# Altium PCB PCB1.PcbDoc (part 1 of 2) (continued)
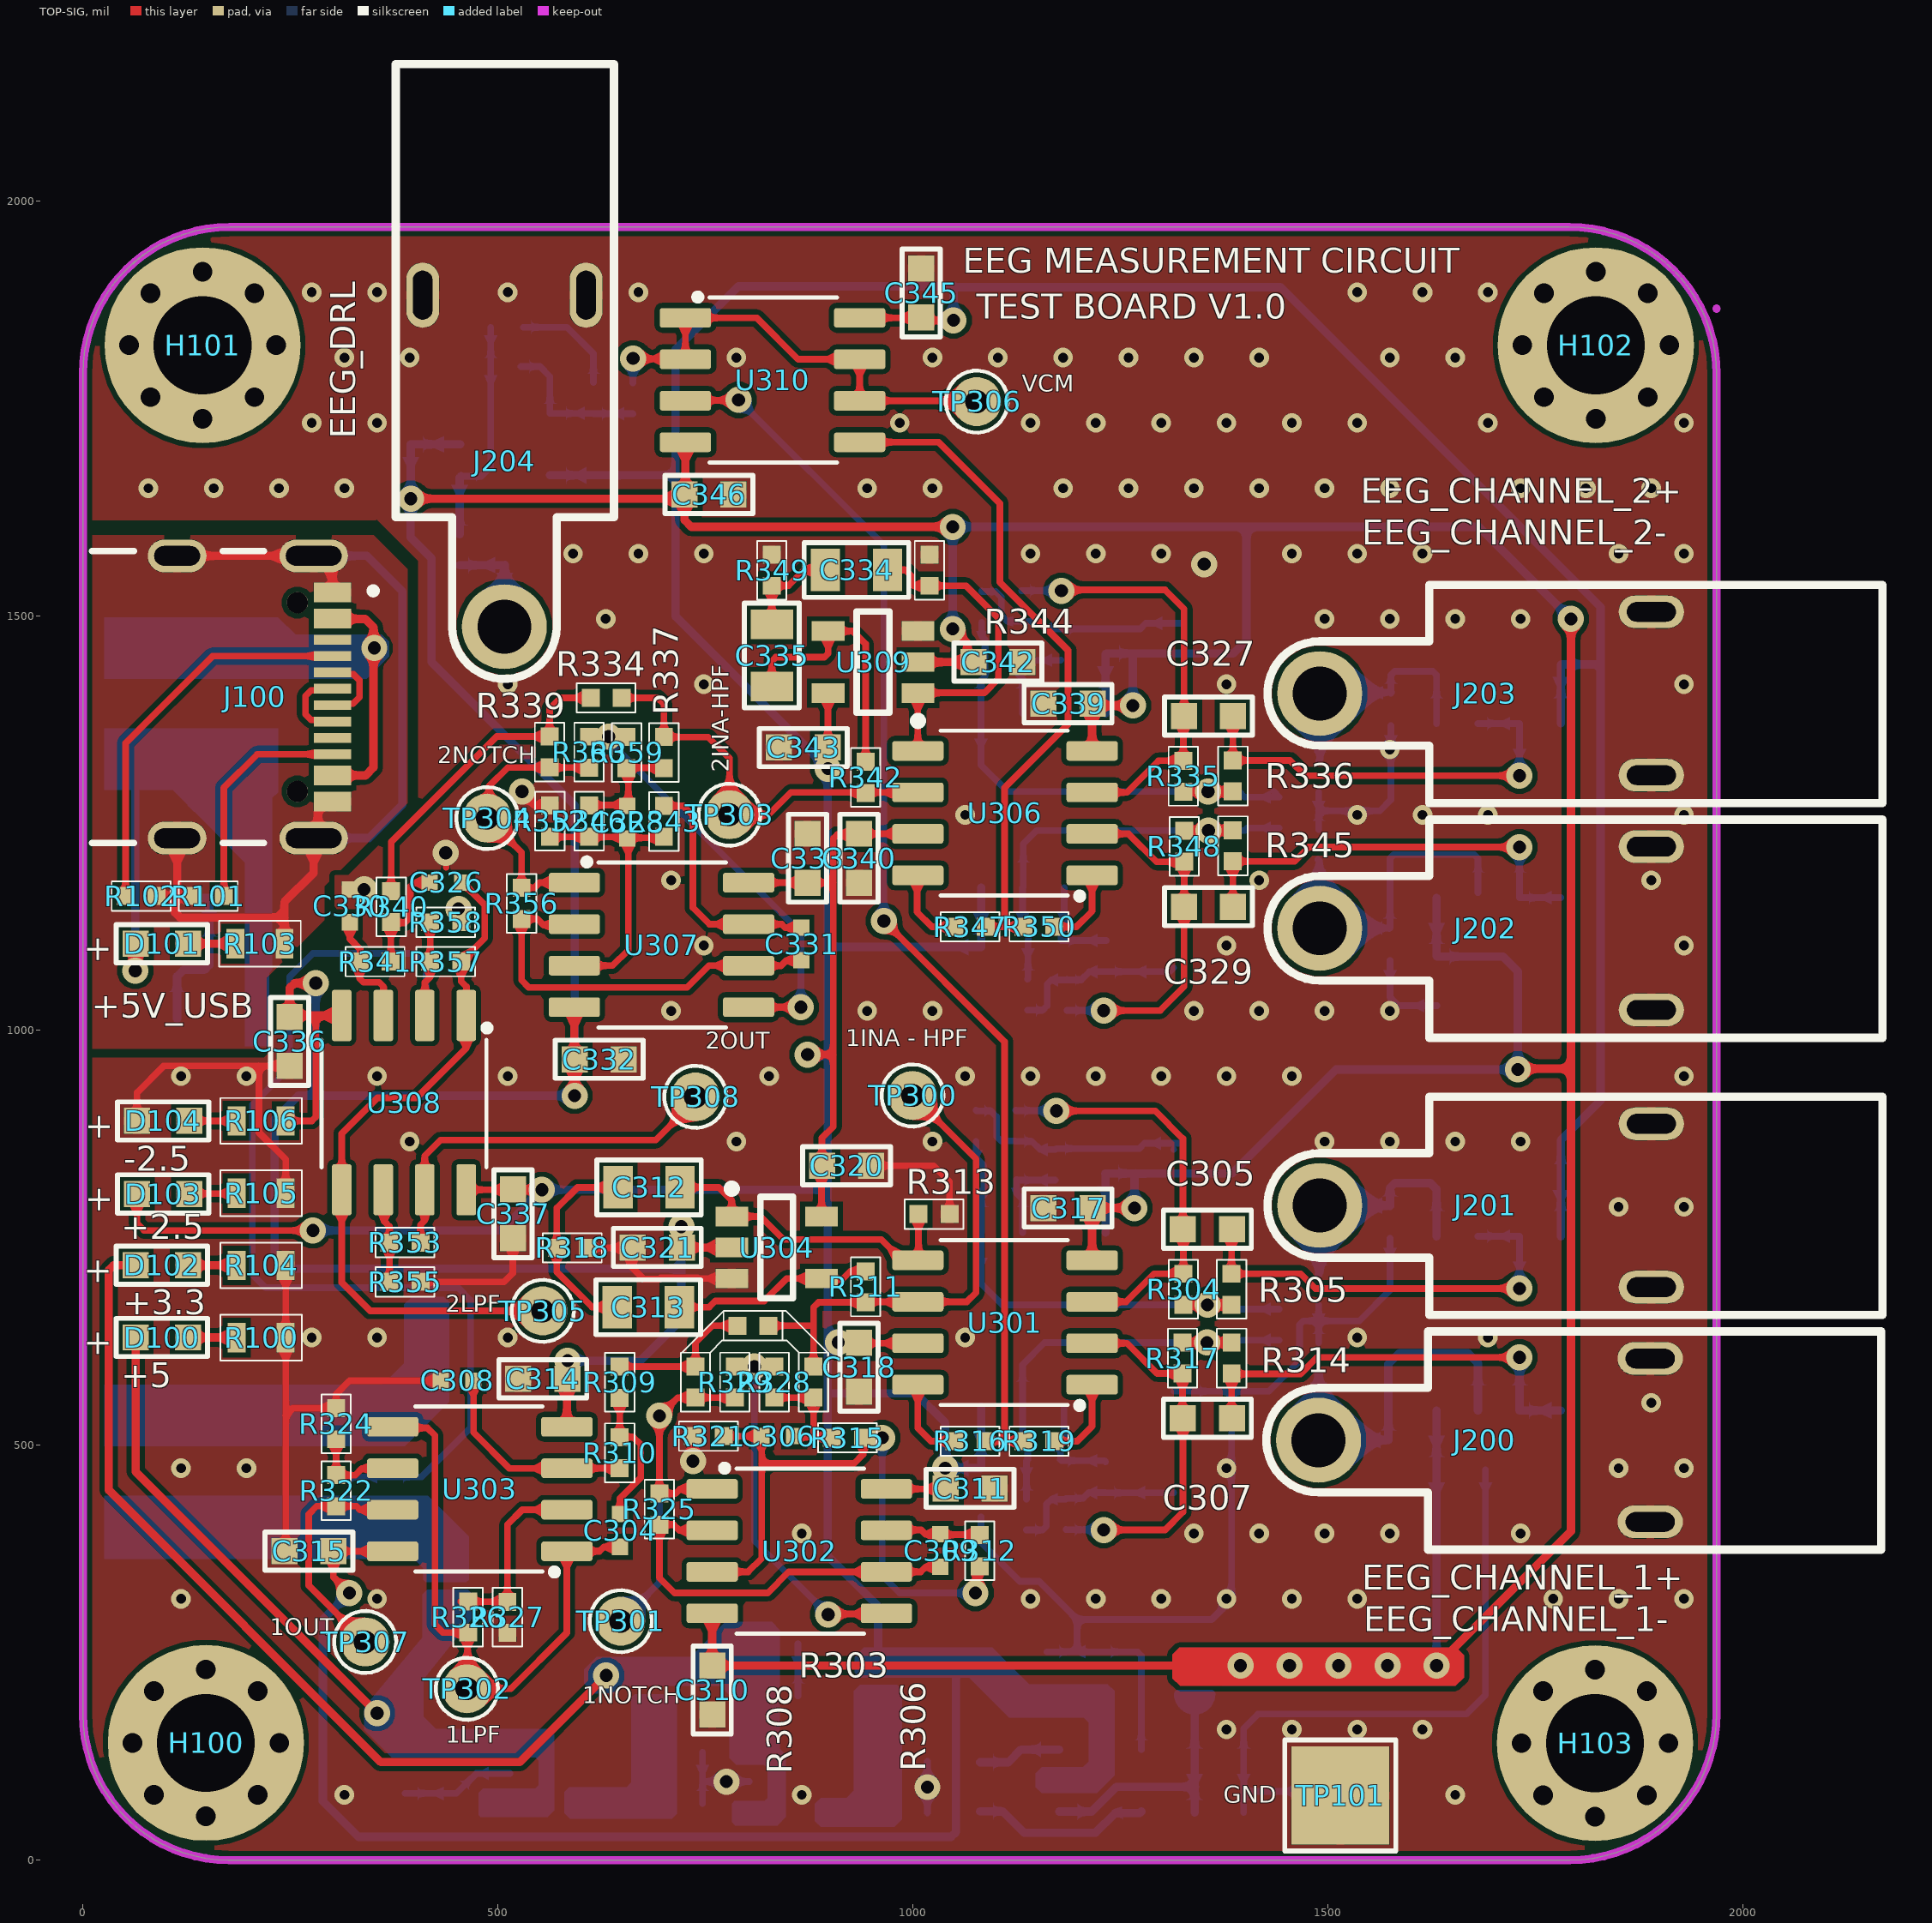
[diagram p0: TOP-SIG view]
## Components (designator, comment, footprint, x,y, rotation, side; value= is the part's Value field where it differs from the comment) (continued)
TP300 "Testpoint_TH" TestPoint_THTPad_D1.5mm_Drill0.7mm 999.55,921.6 r90 top
TP301 "Testpoint_TH" TestPoint_THTPad_D1.5mm_Drill0.7mm 648,288 r90 top
TP302 "Testpoint_TH" TestPoint_THTPad_D1.5mm_Drill0.7mm 462.61,206.5 r90 top
TP303 "Testpoint_TH" TestPoint_THTPad_D1.5mm_Drill0.7mm 779,1260 r90 top
TP304 "Testpoint_TH" TestPoint_THTPad_D1.5mm_Drill0.7mm 487,1256 r90 top
TP305 "Testpoint_TH" TestPoint_THTPad_D1.5mm_Drill0.7mm 554,662 r90 top
TP306 "Testpoint_TH" TestPoint_THTPad_D1.5mm_Drill0.7mm 1077,1758 r90 top
TP307 "Testpoint_TH" TestPoint_THTPad_D1.5mm_Drill0.7mm 340,263 r90 top
TP308 "Testpoint_TH" TestPoint_THTPad_D1.5mm_Drill0.7mm 738,920 r90 top
U100 "NXE2S0505MC-R7" NXE2_SINGLE_SURFACE_MUR 263.24,830 r270 bottom
U101 "RT9013-33GB" SOT-23-5_RIT 561.62,104.57 r0 bottom
U102 "TPS7A0525PDBVR" DBV0005A_L 853,94.7 r0 bottom
U103 "TPS60403DBVR" SOT95P280X145-5N 1225.87,95.9 r0 bottom
U200 "OPA2735AIDR" SOIC-8 1706,647 r90 bottom
U201 "OPA2735AIDR" SOIC-8 1706,1265 r90 bottom
U300 "OPA2735AIDR" SOIC-8 1157.23,651.42 r270 bottom
U301 "INA128UA/2K5" SOIC-8 1111,648 r180 top
U302 "OPA2735AIDR" SOIC-8 863.13,372.48 r0 top
U303 "OPA2735AIDR" SOIC-8 478.09,447.28 r180 top
U304 "OPA735AIDBVR" SOT-23 835.84,738.41 r0 top
U305 "OPA2735AIDR" SOIC-8 1157.23,1277.04 r270 bottom
U306 "INA128UA/2K5" SOIC-8 1111,1262 r180 top
U307 "OPA2735AIDR" SOIC-8 697.09,1103.15 r0 top
U308 "OPA2735AIDR" SOIC-8 386.78,913 r270 top
U309 "OPA735AIDBVR" SOT-23 952,1444 r180 top
U310 "OPA2735AIDR" SOIC-8 830.9,1784 r0 top
U311 "OPA735AIDBVR" SOT-23 508.5,1706.57 r0 bottom

## Footprints (in the part's own frame and the unit in brackets; to place one, negate y for a bottom-side part, rotate by r counter-clockwise, add the part's x,y. Pads: shape width x height; smd on the part's side, far side on the other; paste and mask are expansions set on the pad)
"3mm with via" [mm]
  round 6 hole 3 mask-2539.97: 0(0,0)
CAP_0603 [mm]
  rect 0.8x0.8 smd: 1(-0.801,0.076) 2(0.699,0.076)
  silkscreen extent -1.4,-0.51 1.3,0.66, body extent -0.85,-0.32 0.75,0.48, height 0.8
CAP_0805 [mm]
  rect 0.9x1.3 smd: 1(-0.975,-0.025) 2(0.925,-0.025)
  silkscreen extent -1.63,-0.86 1.57,0.81, body extent -1.03,-0.65 0.97,0.6, height 0.6
DBV0005A_L [mm]
  rect 0.8x0.55 smd paste+0 mask+0: 1(-1.275,0.95) 2(-1.275,0) 3(-1.275,-0.95) 4(1.275,-0.95) 5(1.275,0.95)
  silkscreen extent -1.63,-1.55 0.38,1.55
"DIN42802-1.5MM SOCKET" [mm]
  oval 2x1 hole 0.6 slot 1.5 at 0 deg: 1(10.15,2.5) 3(10.15,-2.5)
  round 2.6 hole 1.65: 2(0,0)
  silkscreen extent -1.6,-3.35 17.22,3.33, body extent -2.28,-3.19 17.22,3.16, height 6.35
DIO_TPD1E05U06DPYR [mm]
  rect 0.6x0.5 smd: 1(-0.5,0) 2(0.5,0)
  silkscreen extent -0.91,0.48 -0.76,0.63, body extent -0.5,-0.3 0.5,0.3, height 0.45
GCT_USB4105-GF-A [mm]
  rect 0.6x1.15 smd mask+0.05: A1_B12(-3.2,4.755) A4_B9(-2.4,4.755) B1_A12(3.2,4.755) B4_A9(2.4,4.755)
  rect 0.3x1.15 smd mask+0.05: A5(-1.25,4.755) A6(-0.25,4.755) A7(0.25,4.755) A8(1.25,4.755) B5(1.75,4.755) B6(0.75,4.755) B7(-0.75,4.755) B8(-1.75,4.755)
  oval 1x2.1 hole 0.6 slot 1.7 at 90 deg: SH1(-4.32,4.18) SH2(4.32,4.18)
  oval 1x1.8 hole 0.6 slot 1.4 at 90 deg: SH3(-4.32,0) SH4(4.32,0)
  round 0.65 hole 0.65 unplated: ""(-2.89,3.68) ""(2.89,3.68)
  silkscreen extent -4.47,-2.6 4.47,6.1, body extent -4.47,-2.6 4.47,5.11, height 3.31
Inductor_CDRH4D28 [mm] "SMD Power Inductor, body 4.8x4.8x2.8 mm"
  rect 1.9x5.3 smd: 1(-1.7,0) 2(1.7,0)
  silkscreen extent -0.75,-3 0.75,3, body extent -2.42,-2.42 2.48,2.48, height 2.91
NXE2_SINGLE_SURFACE_MUR [mil]
  rect 66x22 smd paste+0 mask+0: 1(-184,150) 3(-184,50) 7(-184,-150) 8(184,-150) 14(184,150)
  silkscreen extent -229,-255 210,255, body extent -205,-250 205,250, height 190
R0402 [mm] "Chip Resistor, 2-Leads, Body 1.00x0.50mm, IPC Medium Density"
  rect 0.55x0.55 smd: 1(-0.475,0) 2(0.475,0)
  silkscreen extent -0.9,-0.45 0.9,0.45, body extent -0.5,-0.25 0.5,0.25, height 0.35
R0603 [mm]
  rect 0.55x0.9 smd: 1(-0.75,0) 2(0.75,0)
  silkscreen extent -1.25,-0.7 1.25,0.7, body extent -0.77,-0.43 0.77,0.43, height 0.45
SOIC-8 [mm]
  rrect25% 1.57x0.6 smd: 1(-2.667,1.905) 2(-2.667,0.635) 3(-2.667,-0.635) 4(-2.667,-1.905) 5(2.667,-1.905) 6(2.667,-0.635) 7(2.667,0.635) 8(2.667,1.905)
  silkscreen extent -2.39,-2.52 1.98,2.64, body extent -2.97,-2.45 3.02,2.45, height 1.75
SolderBridgeOpen#1 [mil]
  round 10 smd mask+0: 1(18,0) 2(-18,0)
  TOP-SIG region: -10,20 -10,-20 -19,-20 -30,-9 -30,10 -20,20
  TOP-SIG region: 10,20 10,-20 19,-20 30,-9 30,10 20,20
  TOP-SIG lines w10: 10,20 cw(c10,0) 10,-20 10,20 ; -10,20 ccw(c-10,0) -10,-20 -10,20
  silkscreen extent -34,-34 34,34
SolderBridgeOpen#2 [mil]
  round 10 smd mask+0: 1(18,0) 2(-18,0)
  TOP-SIG region: -10,20 -10,-20 -19,-20 -30,-9 -30,10 -20,20
  TOP-SIG region: 10,20 10,-20 19,-20 30,-9 30,10 20,20
  TOP-SIG lines w10: -10,-20 cw(c-10,0) -10,20 -10,-20 ; 10,-20 ccw(c10,0) 30,0 ccw(c10,0) 18,18.33 ccw(c10,0) 10,20 10,0 10,-20
  silkscreen extent -34,-34 34,34
SolderBridgeOpen#3 [mil]
  round 10 smd mask+0: 1(18,0) 2(-18,0)
  TOP-SIG region: -10,20 -10,-20 -19,-20 -30,-9 -30,10 -20,20
  TOP-SIG region: 10,20 10,-20 19,-20 30,-9 30,10 20,20
  TOP-SIG lines w10: -10,-20 cw(c-10,0) -10,20 -10,-20 ; 10,-20 ccw(c10,0) 30,0 ccw(c10,0) 24,14.28 ccw(c10,0) 18,18.33 ccw(c10,0) 10,20 10,0 10,-20
  silkscreen extent -34,-34 34,34
SOT95P280X145-5N [mm]
  rrect50% 1.21x0.59 smd: 1(-1.255,0.95) 2(-1.255,0) 3(-1.255,-0.95) 4(1.255,-0.95) 5(1.255,0.95)
  silkscreen extent -2.51,-1.45 0.8,1.45
SOT-23 [mm] "SOT23, 5-Leads, Body 2.90x2.80mm, Pitch 0.95mm, IPC Medium Density"
  rect 1x0.6 smd: 1(-1.375,0.95) 2(-1.375,0) 3(-1.375,-0.95) 4(1.375,-0.95) 5(1.375,0.95)
  silkscreen extent -1.5,-1.55 0.5,1.92, body extent -1.5,-1.53 1.5,1.53, height 1.45
SOT-23-5_RIT [mil]
  rect 52x24 smd paste+0 mask+0: 1(-47,36.99) 2(-47,0) 3(-47,-36.99) 4(47,-36.99) 5(47,36.99)
  silkscreen extent -67,-66 40,77, body extent -59,-61 59,61, height 67
TestPoint_Pad_3.0x3.0mm [mm]
  rect 3x3 smd paste-2539.97 mask+0: 1(0,0)
  silkscreen extent -1.7,-1.7 1.7,1.7
TestPoint_THTPad_D1.5mm_Drill0.7mm [mm]
  round 1.5 / inner round 1.524 / far side round 1.5 hole 0.7 paste-2539.97 mask+0: 1(0,0)
  silkscreen extent -0.95,-0.95 0.95,0.95
WCAP-CSGP_0402_L1W0.5H0.5 [mm] "Ceramic Capacitors, body 1x0.5mm"
  rect 0.5x0.5 smd: 1(-0.5,0) 2(0.5,0)
  body extent -0.5,-0.25 0.5,0.25, height 0.5
WL-SMCW_0603_H=0.7mm [mm] "SMD Mono-color Chip LED, body 1.6x0.8mm"
  rect 0.8x0.8 smd: 1(-0.8,0) 2(0.8,0)
  silkscreen extent -1.4,-0.58 1.4,0.58, body extent -0.8,-0.4 0.8,0.4, height 0.7

## Part data
C100 C103: library part 0106034751035, "CAP, size 0603, 4.7 uF, 35 VDC", Capacitance="4.7 uF", Manufacture Name="Samsung Electro-Mechanics", Manufacture SN=CL10A475KL8NRNC, Operating Temperature="-55 to +125degC", Tolerance=+/-10%, Voltage Rating DC="35 VDC", ComponentLink2Description=Datasheet, ComponentLink2URL=https://www.mouser.vn/datasheet/2/585/MLCC-1837944.pdf, ComponentLink3Description=Buy, ComponentLink3URL=http://www.tme.vn/Product.aspx?id=1163#page=pro_info, Mounting Technology=SMT, Packaging="Tape and Reel", Size=0603, Supplier 1 Name=Mouser, Supplier 1 SN=187-CL10A475KL8NRNC, Supplier 1 URL=https://www.mouser.vn/ProductDetail/Samsung-Electro-Mechanics/CL10A475KL8NRNC?qs=xZ%2FP%252Ba9zWqa0jfvJtp%252BUEg%3D%3D&utm_source=mouser-refine-download&utm_medium=file&utm_campaign=CL10A475KL8NRNC&utm_content=Samsung-Electro-Mechanics, Supplier 2 Name=Digi-Key, Supplier 2 SN=1276-6794-2-ND, Supplier 2 URL=https://www.digikey.com/en/products/detail/samsung-electro-mechanics/cl10a475kl8nrnc/5961278, Supplier 3 Name=thegioiic, Supplier 3 SN=N/A, Supplier 3 URL=N/A
C101 C102 C105 C107 C109 C110 C114 C115 C200 C201 C202 C203 C301 C302 C310 C311 C314 C315 C317 C318 C320 C321 C323 C324 C332 C333 C336 C337 C339 C340 C342 C343 C345 C346 C347 C348: library part 0106031041050, "CAP, size 0603, 100 nF, 50 VDC", Capacitance="100 nF", Manufacture Name=TDK, Manufacture SN=CGA3E3X8R1H104K080AE, Operating Temperature="-55 to +125degC", Tolerance=+/-10%, Voltage Rating DC="50 VDC", ComponentLink2Description=Datasheet, ComponentLink2URL=https://product.tdk.com/system/files/dam/doc/product/capacitor/ceramic/mlcc/catalog/mlcc_automotive_soft_en.pdf?ref_disty=mouser, Mounting Technology=SMT, Packaging="Tape and Reel", Size=0603, Supplier 1 Name=Mouser, Supplier 1 SN=810-CGA3E3X8R1H104KA, Supplier 1 URL=https://www.mouser.com/ProductDetail/TDK/CGA3E3X8R1H104K080AE?qs=nQSIdc08i%252Bd8g3IRRgU2bw%3D%3D&utm_source=mouser-refine-download&utm_medium=file&utm_campaign=CGA3E3X8R1H104K080AE&utm_content=TDK, Supplier 2 Name=Digi-Key, Supplier 2 SN=445-173697-2-ND, Supplier 2 URL=https://www.digikey.com/en/products/detail/tdk-corporation/cga3e3x8r1h104k080ae/5809262, Supplier 3 Name=thegioiic, Supplier 3 SN=N/A, Supplier 3 URL=N/A
  C101 C102 C105: ComponentLink3Description=Buy, ComponentLink3URL=http://www.tme.vn/Product.aspx?id=739#page=pro_info
C104 C106 C108 C111: library part 0106032251010, "CAP, size 0603, 2.2 uF, 10 VDC", Capacitance="2.2 uF", Manufacture Name="Samsung Electro-Mechanics", Manufacture SN=CL10A225KP8NNWC, Operating Temperature="-55 to +125degC", Tolerance=+/-10%, Voltage Rating DC="10 VDC", ComponentLink2Description=Datasheet, ComponentLink2URL=https://www.mouser.vn/datasheet/2/585/Samsung_MLCC_1837944-1929650.pdf, Mounting Technology=SMT, Packaging="Tape and Reel", Size=0603, Supplier 1 Name=Mouser, Supplier 1 SN=187-CL10A225KP8NNWC, Supplier 1 URL=https://www.mouser.vn/ProductDetail/Samsung-Electro-Mechanics/CL10A225KP8NNWC?qs=f6khj2Jg0Fj5oIVDjMV6rg%3D%3D&utm_source=mouser-refine-download&utm_medium=file&utm_campaign=CL10A225KP8NNWC&utm_content=Samsung-Electro-Mechanics, Supplier 2 Name=Digi-Key, Supplier 2 SN=1276-CL10A225KP8NNWCTR-ND, Supplier 2 URL=https://www.digikey.com/en/products/detail/samsung-electro-mechanics/cl10a225kp8nnwc/16572766, Supplier 3 Name=thegioiic, Supplier 3 SN=N/A, Supplier 3 URL=N/A
C112 C113 C116 C305 C307 C327 C329: library part 0106031051050, "CAP, size 0603, 1 nF, 50 VDC", Capacitance="1 nF", Manufacture Name=TDK, Manufacture SN=CGA3E3X5R1H105K080AB, Operating Temperature="-55 to +125degC", Tolerance=+/-10%, Voltage Rating DC="50 VDC", ComponentLink2Description=Datasheet, ComponentLink2URL=https://product.tdk.com/system/files/dam/doc/product/capacitor/ceramic/mlcc/catalog/mlcc_automotive_general_en.pdf?ref_disty=mouser, Mounting Technology=SMT, Packaging="Tape and Reel", Size=0603, Supplier 1 Name=Mouser, Supplier 1 SN=810-CGA3E3X5R1H105K, Supplier 1 URL=https://www.mouser.com/ProductDetail/TDK/CGA3E3X5R1H105K080AB?qs=NRhsANhppD%2F2%2FwbVN4GABg%3D%3D&utm_source=mouser-refine-download&utm_medium=file&utm_campaign=CGA3E3X5R1H105K080AB&utm_content=TDK, Supplier 2 Name=Digi-Key, Supplier 2 SN=445-7878-2-ND, Supplier 2 URL=https://www.digikey.com/en/products/detail/tdk-corporation/cga3e3x5r1h105k080ab/2781304, Supplier 3 Name=thegioiic, Supplier 3 SN=N/A, Supplier 3 URL=N/A
C300 C319 C322 C341: library part 885012105018, "WCAP-CSGP Multilayer Ceramic Chip Capacitor, General Purpose, size 0402, X5R, 100nF, 25V", Capacitance="10nF, 50V", Capacitance Tolerance=+/-20%, Case/Size Code=0402, Insulation Resistance=5GΩ, Manufacturer="Wurth Elektronik", Max Operating Temperature=85°C, Min Operating Temperature=-55°C, Rated Voltage (DC)=25V, Category="Multilayer Ceramic Chip Capacitors", Ceramic Type=X5R, ComponentLink1Description="Website Link", ComponentLink1URL=https://www.we-online.com/redexpert/article/885012105018?ad, ComponentLink2Description="Datasheet Link", ComponentLink2URL=https://www.we-online.com/redexpert/spec/885012105018?ad, ComponentLink3Description=Buy, ComponentLink3URL=https://www.thegioiic.com/tu-gom-0402-10nf-50v, Dissipation Factor=10%, Height=0.5mm, Length=1mm, Manufacturer Part Number=885012105018, Match Code=WCAP-CSGP, Mount="Surface Mount", Packaging="Tape and Reel", Technical Reference=X5R0402104M025DFCT10000, Width=0.5mm
C303 C312 C313 C316 C325 C334 C335 C338: library part 0108051061025, "33 µF ±20% 6.3V Ceramic Capacitor X5R 0805 (2012 Metric)", Capacitance="10 uF", Manufacture Name=TDK, Manufacture SN=CGA4J1X7S1E106K125AE, Operating Temperature="-55 to +125degC", Tolerance=+/-10%, Voltage Rating DC="25 VDC", ComponentLink3Description=Buy, ComponentLink3URL=https://www.digikey.com/en/products/detail/tdk-corporation/C2012X5R0J336M125AC/2443464, Mounting Technology=SMT, Packaging="Tape and Reel", Size=0805, Supplier 1 Name=Mouser, Supplier 1 SN=810-CGA4J1X7S1E106K2, Supplier 1 URL=https://www.mouser.vn/ProductDetail/TDK/CGA4J1X7S1E106K125AE?qs=PqoDHHvF64%252BJvhmUzM2odA%3D%3D&utm_source=mouser-refine-download&utm_medium=file&utm_campaign=CGA4J1X7S1E106K125AE&utm_content=TDK, Supplier 2 Name=Digi-Key, Supplier 2 SN=445-181411-2-ND, Supplier 2 URL=https://www.digikey.com/en/products/detail/tdk-corporation/cga4j1x7s1e106k125ae/9744777, Supplier 3 Name=thegioiic, Supplier 3 SN=OEM, Supplier 3 URL=N/A
C304 C308 C326 C330: library part 885012205067, "WCAP-CSGP Multilayer Ceramic Chip Capacitor, General Purpose, size 0402, X7R, 10nF, 50V", Capacitance Tolerance=+/-10%, Case/Size Code=0402, Insulation Resistance=10GΩ, Manufacturer="Wurth Elektronik", Max Operating Temperature=125°C, Min Operating Temperature=-55°C, Rated Voltage (DC)=50V, Capacitance=10nF, Category="Multilayer Ceramic Chip Capacitors", Ceramic Type=X7R, ComponentLink1Description="Website Link", ComponentLink1URL=https://www.we-online.com/redexpert/article/885012205067?ad, ComponentLink2Description="Datasheet Link", ComponentLink2URL=https://www.we-online.com/redexpert/spec/885012205067?ad, Dissipation Factor=2.5%, Height=0.5mm, Length=1mm, Manufacturer Part Number=885012205067, Match Code=WCAP-CSGP, Mount="Surface Mount", Packaging="Tape and Reel", Technical Reference=X7R0402103K050DFCT10000, Width=0.5mm
C306 C309 C328 C331: library part 885012105017, "WCAP-CSGP Multilayer Ceramic Chip Capacitor, General Purpose, size 0402, X5R, 220nF, 16V", Capacitance Tolerance=+/-20%, Case/Size Code=0402, Insulation Resistance=0.5GΩ, Manufacturer="Wurth Elektronik", Max Operating Temperature=85°C, Min Operating Temperature=-55°C, Rated Voltage (DC)=16V, Capacitance=220nF, Category="Multilayer Ceramic Chip Capacitors", Ceramic Type=X5R, ComponentLink1Description="Website Link", ComponentLink1URL=https://www.we-online.com/redexpert/article/885012105017?ad, ComponentLink2Description="Datasheet Link", ComponentLink2URL=https://www.we-online.com/redexpert/spec/885012105017?ad, Dissipation Factor=10%, Height=0.5mm, Length=1mm, Manufacturer Part Number=885012105017, Match Code=WCAP-CSGP, Mount="Surface Mount", Packaging="Tape and Reel", Technical Reference=X5R0402224M016DFCT10000, Width=0.5mm
C344: library part 885012105004, "WCAP-CSGP Multilayer Ceramic Chip Capacitor, General Purpose, size 0402, X5R, 470nF, 6.3V", Capacitance Tolerance=+/-20%, Case/Size Code=0402, Insulation Resistance=0.2GΩ, Manufacturer="Wurth Elektronik", Max Operating Temperature=85°C, Min Operating Temperature=-55°C, Rated Voltage (DC)=6.3V, Capacitance=470nF, Category="Multilayer Ceramic Chip Capacitors", Ceramic Type=X5R, ComponentLink1Description="Website Link", ComponentLink1URL=https://www.we-online.com/redexpert/article/885012105004?ad, ComponentLink2Description="Datasheet Link", ComponentLink2URL=https://www.we-online.com/redexpert/spec/885012105004?ad, Dissipation Factor=10%, Height=0.5mm, Length=1mm, Manufacturer Part Number=885012105004, Match Code=WCAP-CSGP, Mount="Surface Mount", Packaging="Tape and Reel", Technical Reference=X5R0402474M6R3DFCT10000, Width=0.5mm
D100: library part 160603BlueBlur, "WL-SMCW SMT Mono-color Chip LED Blur, size 0603, Blue, 3.2V, 140deg", Color=Blue, ComponentLink1Description="Datasheet link", ComponentLink1URL=N/A, ComponentLink2Description="Supplier 1 URL", ComponentLink2URL=https://www.mouser.vn/ProductDetail/ams-OSRAM/LB-Q39E-L2OO-35-1?qs=74fRo9GAWsz%2FeNvglIOl1w%3D%3D, ComponentLink3Description="Supplier 2 URL", ComponentLink3URL=https://www.digikey.com/en/products/detail/ams-osram-usa-inc/LB-Q39E-N1OO-35-1/2176321, ComponentLink4Description="Supplier 3 URL", ComponentLink4URL=N/A, ComponentLink5Description=Buy, ComponentLink5URL=https://www.thegioiic.com/led-xanh-duong-0603-dan-smd-trong-suot-harvatek, Size=0603, Supplier 1 Name=Mouser, Supplier 1 SN=720-LBQ39EL2N2351, Supplier 1 URL=https://www.mouser.vn/ProductDetail/ams-OSRAM/LB-Q39E-L2OO-35-1?qs=74fRo9GAWsz%2FeNvglIOl1w%3D%3D, Supplier 2 Name=Digi-Key, Supplier 2 SN=475-LBQ39E-N1OO-35-1TR-ND, Supplier 2 URL=https://www.digikey.com/en/products/detail/ams-osram-usa-inc/LB-Q39E-N1OO-35-1/2176321, Supplier 3 Name=ICDayRoi, Supplier 3 SN=N/A, Supplier 3 URL=N/A, Type=Blur
D101: library part 160603RedClear, "WL-SMCW SMT Mono-color Chip LED Waterclear, size 0603, Red, 2V, 140deg", Color=Red, ComponentLink1Description="Datasheet link", ComponentLink1URL=N/A, ComponentLink2Description="Supplier 1 URL", ComponentLink2URL=https://www.mouser.vn/ProductDetail/Wurth-Elektronik/150060RS75000?qs=LlUlMxKIyB3QnmZ3fw%2FVCA%3D%3D, ComponentLink3Description="Supplier 2 URL", ComponentLink3URL=https://www.digikey.com/en/products/detail/liteon/LTST-C191KRKT/386837, ComponentLink4Description="Supplier 3 URL", ComponentLink4URL=https://www.thegioiic.com/led-do-0603-dan-smd-trong-suot, Size=0603, Supplier 1 Name=Mouser, Supplier 1 SN=710-150060RS75000, Supplier 1 URL=https://www.mouser.vn/ProductDetail/Wurth-Elektronik/150060RS75000?qs=LlUlMxKIyB3QnmZ3fw%2FVCA%3D%3D, Supplier 2 Name=Digi-Key, Supplier 2 SN=160-1447-2-ND, Supplier 2 URL=https://www.digikey.com/en/products/detail/liteon/LTST-C191KRKT/386837, Supplier 3 Name=ICDayRoi, Supplier 3 SN=N/A, Supplier 3 URL=https://www.thegioiic.com/led-do-0603-dan-smd-trong-suot, Type=Clear
D102: library part 160603YellowBlur, "WL-SMCW SMT Mono-color Chip LED Blur, size 0603, Yellow, 2V, 140deg", Color=Yellow, ComponentLink1Description="Datasheet link", ComponentLink1URL=N/A, ComponentLink2Description="Supplier 1 URL", ComponentLink2URL=https://www.mouser.vn/ProductDetail/ROHM-Semiconductor/CSL1901YW1?qs=vvQtp7zwQdO0NUeC1uqWRA%3D%3D, ComponentLink3Description="Supplier 2 URL", ComponentLink3URL=https://www.digikey.com/en/products/detail/rohm-semiconductor/SML-D12Y8WT86/1641801, ComponentLink4Description="Supplier 3 URL", ComponentLink4URL=N/A, ComponentLink5Description=Buy, ComponentLink5URL=https://www.thegioiic.com/led-vang-0603-dan-smd-trong-suot, Size=0603, Supplier 1 Name=Mouser, Supplier 1 SN=755-CSL1901YW1, Supplier 1 URL=https://www.mouser.vn/ProductDetail/ROHM-Semiconductor/CSL1901YW1?qs=vvQtp7zwQdO0NUeC1uqWRA%3D%3D, Supplier 2 Name=Digi-Key, Supplier 2 SN=511-1582-2-ND, Supplier 2 URL=https://www.digikey.com/en/products/detail/rohm-semiconductor/SML-D12Y8WT86/1641801, Supplier 3 Name=ICDayRoi, Supplier 3 SN=N/A, Supplier 3 URL=N/A, Type=Blur
D103: library part 160603GreenBlur, "WL-SMCW SMT Mono-color Chip LED Blur, size 0603, Green, 3.2V, 140deg", Color=Green, ComponentLink1Description="Datasheet link", ComponentLink1URL=N/A, ComponentLink2Description="Supplier 1 URL", ComponentLink2URL=https://www.mouser.vn/ProductDetail/ROHM-Semiconductor/SMLD12EN1WT86?qs=qSfuJ%252Bfl%2Fd4fR%252B9yZydIwg%3D%3D, ComponentLink3Description="Supplier 2 URL", ComponentLink3URL=https://www.digikey.com/en/products/detail/rohm-semiconductor/SML-D12M8WT86/1641797, ComponentLink4Description="Supplier 3 URL", ComponentLink4URL=N/A, ComponentLink5Description=Buy, ComponentLink5URL=https://www.thegioiic.com/led-xanh-la-0603-dan-smd-trong-suot, Size=0603, Supplier 1 Name=Mouser, Supplier 1 SN=755-SMLD12EN1WT86, Supplier 1 URL=https://www.mouser.vn/ProductDetail/ROHM-Semiconductor/SMLD12EN1WT86?qs=qSfuJ%252Bfl%2Fd4fR%252B9yZydIwg%3D%3D, Supplier 2 Name=Digi-Key, Supplier 2 SN=511-1578-2-ND, Supplier 2 URL=https://www.digikey.com/en/products/detail/rohm-semiconductor/SML-D12M8WT86/1641797, Supplier 3 Name=ICDayRoi, Supplier 3 SN=N/A, Supplier 3 URL=N/A, Type=Blur
D104: library part 160603PinkBlur, "WL-SMCW SMT Mono-color Chip LED Blur, size 0603, Pink", Color=Pink, ComponentLink1Description="Datasheet link", ComponentLink1URL=N/A, ComponentLink2Description="Supplier 1 URL", ComponentLink2URL=N/A, ComponentLink3Description="Supplier 2 URL", ComponentLink3URL=https://www.digikey.com/en/products/detail/rohm-semiconductor/SMLD12HBC7W1/3587026, ComponentLink4Description="Supplier 3 URL", ComponentLink4URL=N/A, ComponentLink5Description=Buy, ComponentLink5URL=https://www.thegioiic.com/led-hong-0603-dan-smd-trong-suot, Size=0603, Supplier 1 Name=Mouser, Supplier 1 SN=N/A, Supplier 1 URL=N/A, Supplier 2 Name=Digi-Key, Supplier 2 SN=846-1108-2-ND, Supplier 2 URL=https://www.digikey.com/en/products/detail/rohm-semiconductor/SMLD12HBC7W1/3587026, Supplier 3 Name=ICDayRoi, Supplier 3 SN=N/A, Supplier 3 URL=N/A, Type=Blur
D200 D201 D202 D203 D204: "8.5V (Typ) Clamp 6.3A (8/20µs) Ipp Tvs Diode Surface Mount 2-X1SON (1x.60)", Package="X1SON-2 Texas Instruments", Availability=Warning, ComponentLink1Description=Buy, ComponentLink1URL=https://www.digikey.com/en/products/detail/texas-instruments/TPD1E1B04DPYR/6156198, MF="Texas Instruments", Mouser-Purchase-URL=https://snapeda.com/shop?store=Mouser&id=616615, MP=TPD1E1B04DPYR, Price=None, SnapEDA_Link=https://www.snapeda.com/parts/TPD1E1B04DPYR/Texas%20Instruments/view-part/616615/?ref=snap, Texas_Instruments-Purchase-URL=https://snapeda.com/shop?store=Texas+Instruments&id=616615
J100: "USB-C (USB TYPE-C) USB 2.0 Receptacle Connector 24 (16+8 Dummy) Position Surface Mount, Right Angle; Through Hole", Package=None, Availability=Unavailable, ComponentLink1Description=Buy, ComponentLink1URL=https://www.thegioiic.com/cong-usb-cai-3-1-type-c-16-chan-thang-dan-smd, MF="{'manufacturer': u'GCT'}", MP=USB4105-GF-A, Price=None
J200 J201 J202 J203 J204: "3 PIN Socket Female Socket for PCB EEG EMG DIN42802 1.5 mm Connector", ComponentLink1Description=Buy, ComponentLink1URL=https://www.alibaba.com/product-detail/3-PIN-Socket-Female-Socket-for_62497934533.html?chatToken=TDFKeWNGRlpkWFZTWmtkNFRYRnZjVWxhVTBsU2RVcHNkRVpKVTJsMlRteERiM0ZyWlhrM2VHMXhZeTkwTVVSb2RIQnFRMGxKTmtONE9GSllWWFFyVGtka2JsY3ZLMjB6UVdnMmRsaGxWbVZpU2xFNU5HeHRNWHBhVjJNdmFXcHlSelp0VHpKc01sVnFjMGRSYUZSbkwwRm9SM0ZJYjNSd1UxVTFORmszTUhKcGRERnVaVnBHVjJsaVQwdFRTRGx6WnpCcFVURnhXbWRsZHl0UU56bE5NRkJsVjBnelNXRjZibkJGUFE9PSZ2ZXJzaW9uPTIuMC4w&encryptTargetLoginId=8pctgRBMALPo2t4oyiyajgkFqFUijPBH6wdkfYSa%2Bs4%3D
L100: library part IND_22uH_4D28, "22uH 20% 1A SMD Power Inductor 4.8x4.8x2.8 mm", Supply Name=tme, Supply Part Number="22uH 20% 1A SMD Power Inductor 4.8x4.8x2.8 mm", Supply URL=http://www.tme.vn/Product.aspx?id=1639#page=pro_info
L101: library part IND_47uH_4D28, "47uH 20% 1A SMD Power Inductor 4.8x4.8x2.8 mm", Supply Part Number="22uH 20% 1A SMD Power Inductor 4.8x4.8x2.8 mm", ComponentLink1Description=Buy, ComponentLink1URL=http://www.tme.vn/Product.aspx?id=1640#page=pro_info, Supply Name=tme
R100 R103 R104 R105 R106: "Code 102, 1/10W", ComponentLink1Description=Buy, ComponentLink1URL=https://www.thegioiic.com/dien-tro-1-kohm-0603-1
R101 R102: "RC0402FR-135K1L", ComponentLink1Description=Buy, ComponentLink1URL=https://www.digikey.com/en/products/detail/yageo/RC0402FR-135K1L/14286364
R200 R201 R202 R203 R300 R304 R305 R314 R317 R330 R331 R335 R336 R345 R348 R361: "4.87 MOhms ±1% 0.063W, 1/16W Chip Resistor 0402 (1005 Metric) Moisture Resistant Thick Film", ComponentLink1Description=Buy, ComponentLink1URL=https://www.digikey.com/en/products/detail/yageo/RC0402FR-074M87L/5917698
R204 R324 R327 R355 R358 R362 R364: "Code 103, 1/16W 1%", ComponentLink1Description=Buy, ComponentLink1URL=https://www.thegioiic.com/dien-tro-10-kohm-0402-1-
R301 R323 R332 R354: "3.16 MOhms ±1% 0.063W, 1/16W Chip Resistor 0402 (1005 Metric) Automotive AEC-Q200 Thick Film", ComponentLink1Description=Buy, ComponentLink1URL=https://www.digikey.com/en/products/detail/vishay-dale/CRCW04023M16FKED/1178404
R302 R320 R333 R351: "48.7 kOhms ±1% 0.063W, 1/16W Chip Resistor 0402 (1005 Metric) Automotive AEC-Q200, Moisture Resistant Thick Film", ComponentLink1Description=Buy, ComponentLink1URL=https://www.digikey.com/en/products/detail/yageo/AC0402FR-0748K7L/5895382
R303 R306 R307 R308 R313 R334 R337 R338 R339 R344: "0 Ohms Jumper Chip Resistor 0402 (1005 Metric) Moisture Resistant Thick Film", ComponentLink1Description=Buy, ComponentLink1URL=https://www.digikey.com/en/products/detail/yageo/RC0402JR-070RL/726406
R309 R340: "4.22 kOhms ±1% 0.1W, 1/10W Chip Resistor 0402 (1005 Metric) Automotive AEC-Q200 Thick Film", ComponentLink1Description=Buy, ComponentLink1URL=https://www.digikey.com/en/products/detail/panasonic-electronic-components/ERJ-2RKF4221X/192338
R310 R341: "60.4 kOhms ±1% 0.063W, 1/16W Chip Resistor 0402 (1005 Metric) Moisture Resistant Thick Film", ComponentLink1Description=Buy, ComponentLink1URL=https://www.digikey.com/en/products/detail/yageo/RC0402FR-0760K4L/726643
R311 R318 R342 R349: "138 kOhms ±1% 0.1W, 1/10W Chip Resistor 0402 (1005 Metric) Automotive AEC-Q200, Moisture Resistant Thin Film", ComponentLink1Description=Buy
  R311 R342: ComponentLink1URL=https://www.digikey.com/en/products/detail/koa-speer-electronics-inc/RN73R1ETTP1383F25/10000727
  R318 R349: ComponentLink1URL=https://www.digikey.com/en/products/detail/yageo/RC0402FR-1354K9L/17024812
R312 R325 R328 R329 R343 R356 R359 R360: "14.5 kOhms ±0.5% 0.063W, 1/16W Chip Resistor 0402 (1005 Metric) Thin Film", ComponentLink1Description=Buy, ComponentLink1URL=https://www.digikey.com/en/products/detail/yageo/RT0402DRD0714K5L/7708273
R315 R321 R346 R352: "2.87 MOhms ±1% 0.063W, 1/16W Chip Resistor 0402 (1005 Metric) Automotive AEC-Q200 Thick Film", ComponentLink1Description=Buy, ComponentLink1URL=https://www.digikey.com/en/products/detail/vishay-dale/CRCW04022M87FKED/1178399
R316 R319 R347 R350: "255 Ohms ±1% 0.1W, 1/10W Chip Resistor 0402 (1005 Metric) Automotive AEC-Q200 Thick Film", ComponentLink1Description=Buy, ComponentLink1URL=https://www.digikey.com/en/products/detail/panasonic-electronic-components/ERJ-2RKF2550X/192252
R322 R353: "Code 1503 ,1/16W 1%", ComponentLink1Description=Buy, ComponentLink1URL=https://www.thegioiic.com/dien-tro-150-kohm-0402-1-
R326 R357: "Code 104, 1/16W 1%", ComponentLink1Description=Buy, ComponentLink1URL=https://www.thegioiic.com/dien-tro-100-kohm-0402-1-
R363: "Code 105, 1/16W 1%", ComponentLink1Description=Buy, ComponentLink1URL=https://www.thegioiic.com/dien-tro-1-mohm-0402-1-
TP300 TP301 TP302 TP303 TP304 TP305 TP306 TP307 TP308: "Test Point TEST-1BK", Supply Name=BanLinhKien, Supply Part Number="Test Point TEST-1BK", Supply URL=https://banlinhkien.com/test-point-test1bk-mau-den-5c-p18255999.html
U100: "Isolated Module DC DC Converter 1 Output 5V 400mA 4.5V - 5.5V Input", Mfr_Name=Murata, ComponentLink1Description=Buy, ComponentLink1URL=https://www.digikey.com/en/products/detail/murata-power-solutions-inc/NXE2S0505MC-R7/6009739, RefDes=RefDes, Type=Type
U101: "Linear Voltage Regulator IC Positive Fixed 1 Output 500mA SOT-23-5", Mfr_Name="Richtek Technology", ComponentLink1Description=Buy, ComponentLink1URL=https://www.thegioiic.com/rt9013-33gb-ic-on-ap-3-3v-500ma-sot-23-5, RefDes=RefDes, Type=Type
U102: "Linear Voltage Regulator IC Positive Fixed 1 Output 200mA SOT-23-5", Mfr_Name="Texas Instruments", ComponentLink1Description=Buy, ComponentLink1URL=https://www.digikey.com/en/products/detail/texas-instruments/TPS7A0525PDBVR/9489224, RefDes=RefDes, Type=TYPE
U103: "60mA Charge Pump Voltage Inverter with Fixed 250kHz Operation", Package="SOT-23-5 Texas Instruments", Arrow_Electronics-Purchase-URL=https://snapeda.com/shop?store=Arrow+Electronics&id=1101412, Availability=Unavailable, ComponentLink1Description=Buy, ComponentLink1URL=https://www.digikey.com/en/products/detail/texas-instruments/TPS60403DBVR/1672064, DigiKey-Purchase-URL=https://snapeda.com/shop?store=DigiKey&id=1101412, MF="Texas Instruments", Mouser-Purchase-URL=https://snapeda.com/shop?store=Mouser&id=1101412, MP=TPS60403DBVR, Price=None, SnapEDA_Link=https://www.snapeda.com/parts/TPS60403DBVR/Texas%20Instruments/view-part/1101412/?ref=snap, Texas_Instruments-Purchase-URL=https://snapeda.com/shop?store=Texas+Instruments&id=1101412
U200 U201 U300 U302 U303 U305 U307 U308 U310: "0.05μV/°C max, Single-Supply CMOS Operational Amplifiers Zero-drift Series", ComponentLink1Description=Buy, ComponentLink1URL=https://www.digikey.com/en/products/detail/texas-instruments/OPA2735AIDR/1572381
U301 U306: "Precision, Low Power Instrumentation Amplifiers", ComponentLink1Description=Buy, ComponentLink1URL=https://www.digikey.com/en/products/detail/texas-instruments/INA128UA-2K5/300998, ComponentLink2Description=Datasheet, ComponentLink2URL=https://www.ti.com/lit/ds/symlink/ina129-ep.pdf?ts=1697381225295&ref_url=https%253A%252F%252Fwww.google.com%252F
U304 U309 U311: "Zero-Drift Amplifier 1 Circuit Rail-to-Rail SOT-23-5", Mfr_Name="Texas Instruments", ComponentLink1Description=Buy, ComponentLink1URL=https://www.digikey.com/en/products/detail/texas-instruments/OPA735AIDBVR/1572946, RefDes=RefDes, Type=Type

## Via types
v1: diameter 23.62, hole 11.81, TOP-SIG to BOT-SIG, tented both sides, 140 vias
v2: diameter 31.5, hole 15.75, TOP-SIG to BOT-SIG, tented top, 52 vias
v3: diameter 23.62, hole 23.62, TOP-SIG to BOT-SIG, 32 vias
v4: diameter 31.5, hole 15.75, TOP-SIG to BOT-SIG, tented both sides, 6 vias

## Nets (pads, with @x,y where several pads share a name; then routed paths per layer and width w, separated by ;. In a path a pad name is that pad's centre, name@x,y a point inside that pad or via, vN(x,y) a via of type N, cw(c..) or ccw(c..) an arc to the next point about the centre after c; other vN are vias at no path point)
+2.5: C113.2 C114.2 C201.1 C203.1 C302.2 C311.1 C315.1 C318.2 C320.1 C324.2 C333.1 C337.1 C340.2 C343.1 C345.2 C348.1 D103.2 SB102.1 U103.2 U200.8 U201.8 U300.8 U301.7 U302.8 U303.8 U304.5 U305.8 U306.7 U307.8 U308.8 U309.5 U310.8 U311.5 | length 8575.3
  TOP-SIG w8: D103.2@64.95,803 64.95,767.69 73.64,759 v2(277,759) ; v2(321,322) 301.79,341.21 C315.1@301.79,372.52 302.03,372.28 U303.8@373.09,372.28 ; U308.8@461.78,808 517.47,808 C337.1@518,808.53 518.53,808 v2(553,808) ; U307.8@802.09,1178.15 872.89,1178.15 C333.1@873,1178.04 904,1178.04 ; v2(873,971) 904,971 ; U304.5@889.98,775.81 889.98,836.5 C320.1@890.47,837 890.47,870.47 904,884 904,971 ; v2(897.53,1315.53) C343.1@897.53,1341 897.53,1406.26 U309.5@897.87,1406.6 ; v2(910,624) 934.53,624 C318.2@935,623.53 935.53,623 U301.7@1006,623 ; U310.8@935.9,1859 1009.53,1859 C345.2@1010,1859.47 1013.47,1856 v2(1049,1856) ; U302.8@968.13,447.48 1038.79,447.48 1038.99,447.67 v2(1038.99,472.43) ; U306.7@1006,1237 935.19,1237 C340.2@935.09,1237.1 934,1236 908.69,1236 904,1231.31 904,1178.04 ; 904,971 904,1178.04
  BOT-SIG w8: v2(873,971) 875,969 897.53,969
  BOT-SIG w10: v2(277,759) 504,759 v2(553,808) 897.53,808 ; v2(321,322) 289,290 289,71 332,28 1046.14,28 1052,33.86 1052,233.42 ; U311.5@562.63,1669.17 714,1669.17 ; v2@909,623 v2(910,624) ; v2(1049,1856) 1049,1895.86 ; U300.8@1082.23,546.42 C302.2@1082.23,472.95 1081.71,472.43 v2(1038.99,472.43) 1038.99,527.01 1003.5,562.5 898.02,562.5 897.53,563 ; U305.8@1082.23,1172.04 1082.23,1100.79 C324.2@1082.35,1100.66 897.53,1100.66 ; U103.2@1176.46,95.9 1211.9,95.9 1225,109 1225,190.56 C113.2@1223.54,192.02 1161.6,192.02 C114.2@1161.54,191.96 1126.04,191.96 1084.58,233.42 1052,233.42 ; U200.8@1781,752 C201.1@1781,823.22 1781,868 1828.78,915.78 1828.78,1435.58 ; U201.8@1781,1370 C203.1@1781,1440.92 ; C203.1@1781.3,1441.22 1823.14,1441.22 1828.78,1435.58 ; 714,1669.17 714,1821 789.86,1896.86 1050,1896.86 1049,1895.86 ; 714,1669.17 714,1499.06 v2(897.53,1315.53) 897.53,1100.66 ; 897.53,563 897.53,808 ; 897.53,563 897.53,366.47 958.04,305.96 958.04,245.42 SB102.1@958.04,233.42 976.37,233.42 1052,233.42 ; 897.53,808 897.53,969 897.53,1100.66 ; 1049,1895.86 1443.14,1895.86 1828.78,1510.22 1828.78,1435.58
+3.3: C108.2 C109.2 D102.2 SB101.1 U102.1 U102.3 | length 1532.9
  TOP-SIG w10: D102.2@63.5,717 36.86,717 31,711.14 31,446 358.89,118.11 526.11,118.11 v2(630.5,222.5)
  BOT-SIG w8: SB101.1@687.47,223 730.82,223 768.61,260.8 C108.2@802.47,260.8
  BOT-SIG w10: v2@631,223 SB101.1@687.47,223 ; C108.2@802.47,260.8 802.8,260.47 U102.3@802.8,132.1 832.14,132.1 838,126.24 838,63.15 832.14,57.3 U102.1@802.8,57.3
+5: C104.2 C105.2 D100.2 SB100.1 U101.1 U101.3 | length 1083.3
  TOP-SIG w10: D100.2@63.5,630 63.5,467.99 v2(354.33,177.17)
  BOT-SIG w8: 390.03,177.17 390.03,228.03 437.26,275.26 437.26,299.85 SB100.1@437.26,311.85
  BOT-SIG w10: v2(354.33,177.17) 388,177.17 C105.2@388,139.53 ; C105.2@390.03,141.56 450,141.56 U101.3@514.62,141.56 515.06,142 554,142 561,135 561,73.44 555.14,67.58 U101.1@514.62,67.58
+5_USB: C100.2 C101.2 D101.2 L100.2 U100.3 | length 683.9
  TOP-SIG w10: v2(63,1072) 63.5,1072.5 D101.2@63.5,1104.68
  BOT-SIG w10: v2(63,1072) 63,1294.67 95.4,1327.07 L100.2@130.24,1327.07 130.24,1273.87 136.1,1268.02 136.42,1268.02 211.14,1193.3 C100.2@211.14,1160 213.24,1157.9 U100.3@213.24,1014
-2.5: C200.2 C202.2 C301.1 C310.2 C314.2 C317.1 C321.2 C323.1 C332.2 C336.2 C339.1 C342.2 C346.1 C347.2 R106.2 SB103.1 U200.4 U201.4 U300.4 U301.4 U302.4 U303.4 U304.2 U305.4 U306.4 U307.4 U308.4 U309.2 U310.4 U311.2 | length 9301.7
  TOP-SIG w8: R106.2@244.19,891 275.69,891 280.38,895.69 280.38,1018
  TOP-SIG w10: v2(280.38,1057) 254.73,1057 248.87,1051.14 C336.2@248.87,1016.38 250.48,1018 280.38,1018 U308.4@311.78,1018 ; v2(395,1641) 719.72,1641 725.9,1647.18 U310.4@725.9,1709 ; U303.4@583.09,522.28 C314.2@583.09,580 ; C314.2@583.53,580 584,580.47 v2(584,602) ; U307.4@592.09,1028.15 592.09,965.53 C332.2@592.39,965.24 v2(592.39,921.39) ; v2(721,763.54) 721,739.01 C321.2@721.55,738.46 721.6,738.41 U304.2@781.71,738.41 ; C346.1@724.82,1646.09 724.82,1615.18 733,1607 v2(1048,1607) ; U302.4@758,299 758.13,298.87 U302.4@758.13,297.48 758.13,234.64 758.35,234.42 v2(1631,234.42) 1793,396.42 1793,954 ; U309.2@1006.13,1444 C342.2@1073.04,1444 1065.63,1451.41 1065.63,1466.37 v2(1048,1484) ; U301.4@1216,723 1216,785.47 C317.1@1216.53,786 v2(1267,786) ; U306.4@1216,1337 1216,1393.47 C339.1@1216.53,1394 1218.87,1391.66 v2(1265.05,1391.66) ; v2(1729,953) 1730,954 1793,954 ; v2(1793,1496) 1793,954
  BOT-SIG w10: v2(280.38,1057) 280.38,921.39 ; U311.2@454.37,1706.57 394.68,1706.57 395,1706.25 v2(395,1641) 394.68,1640.68 394.68,1594.32 420,1569 420,1444 592.39,1271.61 v2(592.39,921.39) 280.38,921.39 ; v2(584,602) 672,602 721,651 721,712.87 ; v2(721,763.54) 721,712.87 ; v2(1048,1484) v2(1048,1607) 1402,1607 ; U300.4@1232.23,756.42 1232.23,827.37 C301.1@1231.88,827.72 1269.14,827.72 ; U305.4@1232.23,1382.04 1232.23,1453.58 C323.1@1233.14,1454.49 1267.49,1454.49 ; v2(1265.05,1391.66) 1265.05,1452.05 1267.49,1454.49 ; v2(1267,786) 1267,825.59 1269.14,827.72 ; 1339.57,240.42 1339.57,234.42 ; 1357.91,228.42 SB103.1@1339.57,228.42 1339.57,234.42 ; U200.4@1631,542 C200.2@1631,470.62 v2(1631,234.42) ; U201.4@1631,1160 1631,1089.69 C202.2@1631.6,1089.09 1710.91,1089.09 1729,1071 v2(1729,953) 1510,953 1384.72,827.72 1269.14,827.72 ; v2@1632.03,235.45 v2(1631,234.42) ; v2(1793,1496) 1682,1607 1402,1607 ; 280.38,921.39 259.39,921.39 231,893 231,731 249.13,712.87 721,712.87 ; 1267.49,1454.49 1386.19,1454.49 1402,1470.3 1402,1607 ; 1339.57,234.42 1353.86,234.42 v2(1631,234.42)
  other v2: 1394.78,234.42 1453.84,234.42 1512.89,234.42 1571.94,234.42
EEG_CH1_VCM_4: R316.2 R319.2 U310.3 | length 1497.7
  TOP-SIG w8: U310.3@725.9,1759 726.4,1759.5 789.5,1759.5 v2(790,1760) ; v2(965,1132) 1110.43,986.57 1110.43,505 ; R316.2@1087.7,505 1110.43,505 ; R319.2@1133.17,505 1110.43,505
  BOT-SIG w8: v2(790,1760) 965,1585 v2(965,1132)
EEG_CH2_VCM_4: R347.2 R350.2 U310.5 | length 821
  TOP-SIG w8: U310.5@935.9,1709 1031,1709 1104.89,1635.11 1104.89,1540.33 1187,1458.22 1187,1369 1110.43,1292.43 1110.43,1124.97 ; R347.2@1087.74,1124.97 1110.43,1124.97 ; R350.2@1133.13,1124.97 1110.43,1124.97